# Altium PCB Yaoji.PcbDoc
Units mm, origin at the board's own origin, x right, y up, seen from the top; angles counter-clockwise.
Board outline 152.4 x 101.6 mm, 2 copper layers (Top Layer, Bottom Layer); 29 components, 37 nets, 106 pads, 20 vias.
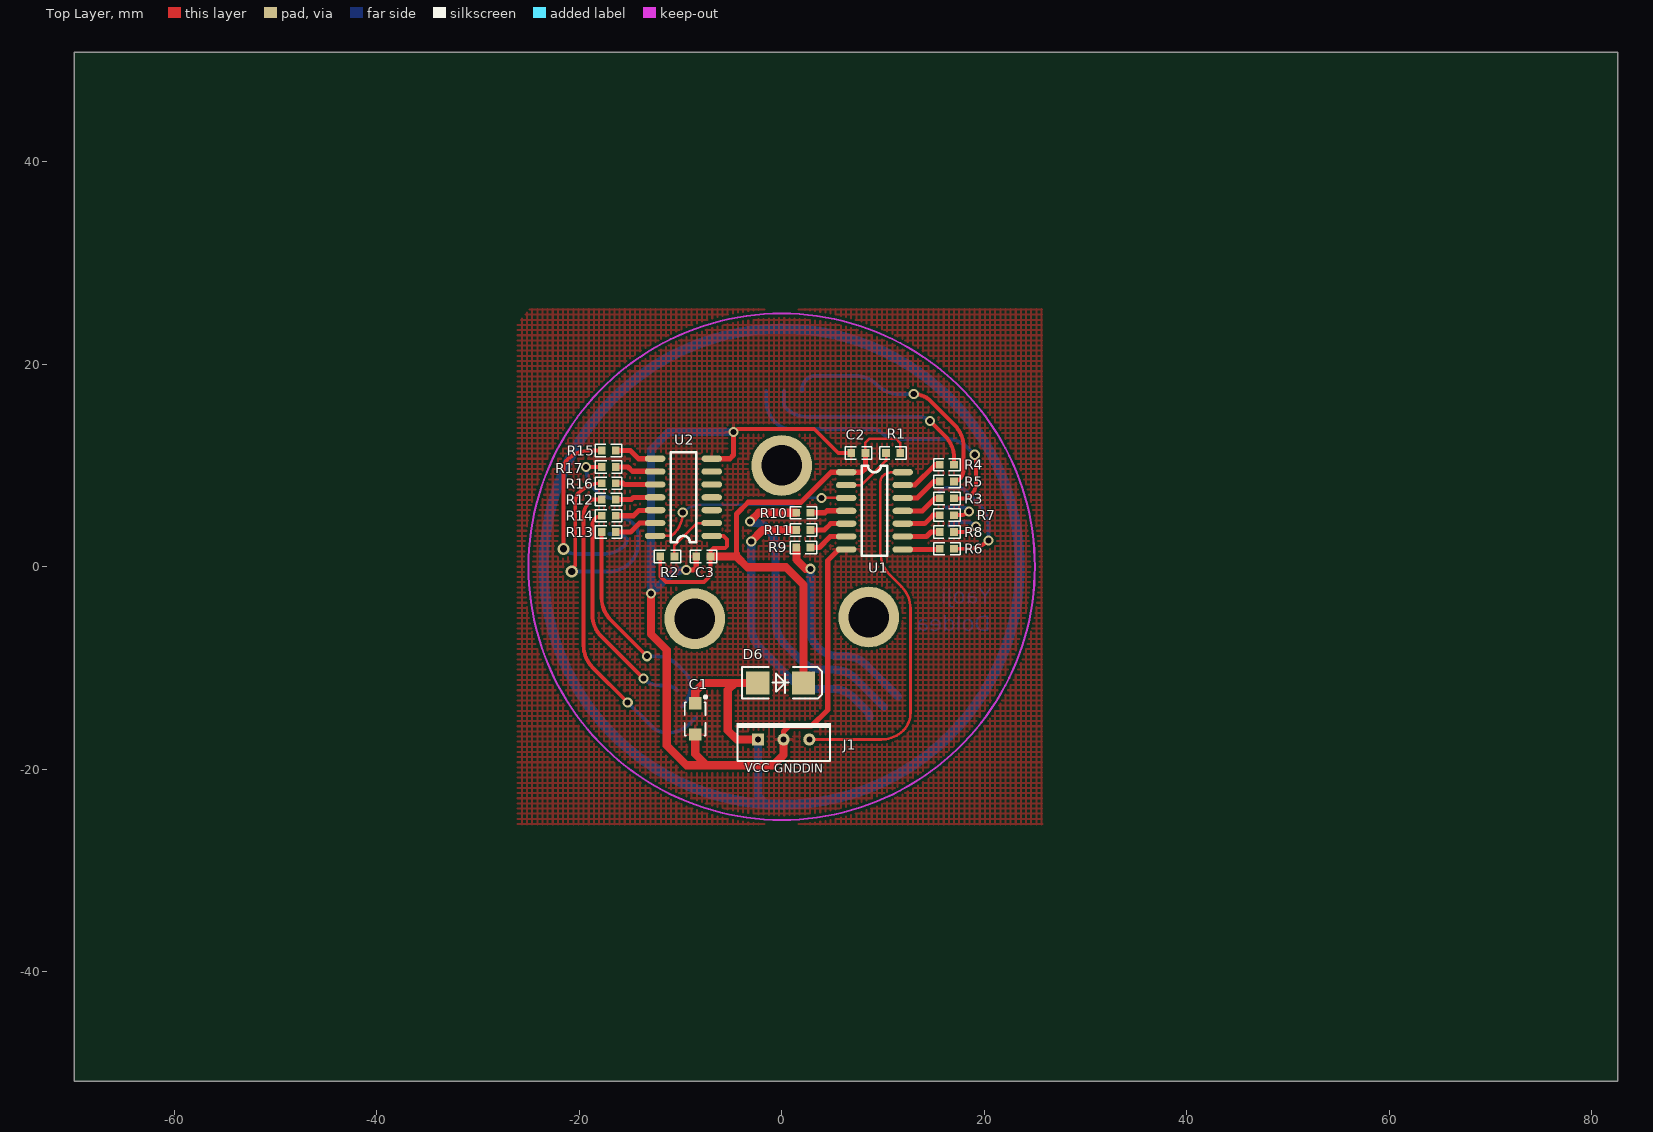
[diagram p0: Top Layer view]
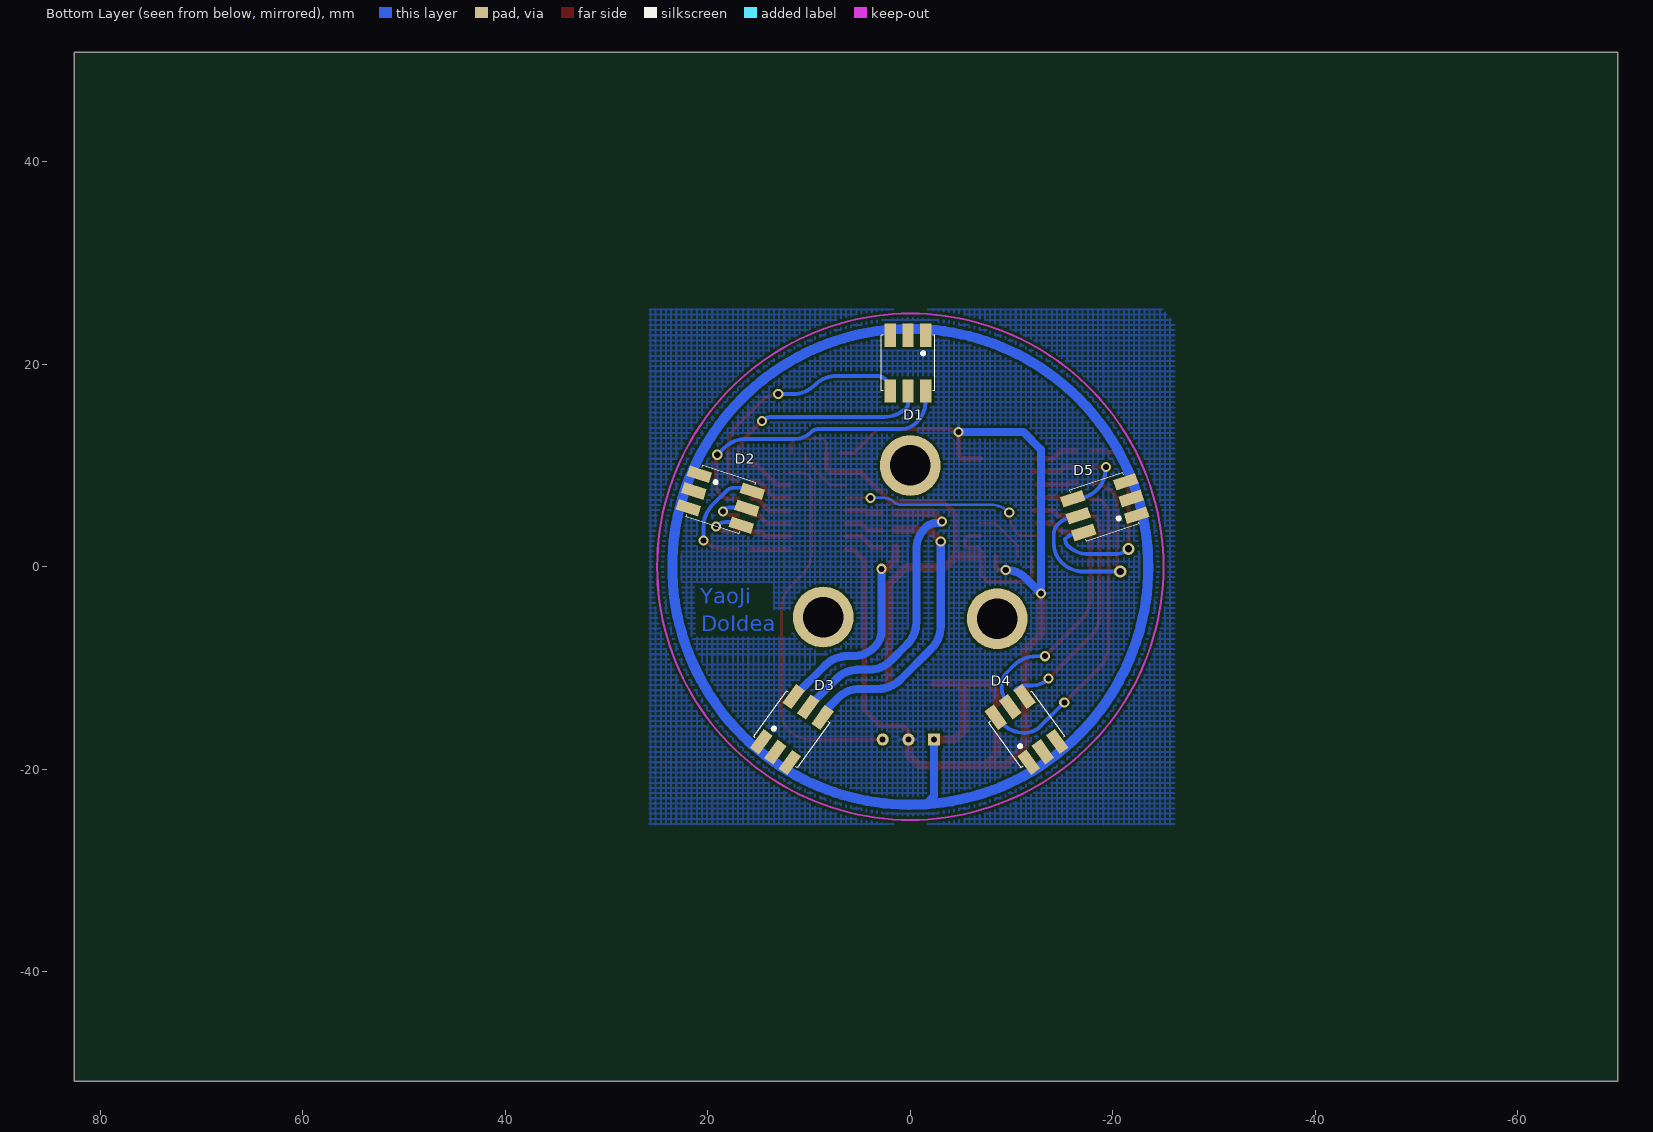
[diagram p1: Bottom Layer view, seen from below]

## Layer stack, top to bottom
Top Layer: signal copper 0.0356
Dielectric: dielectric 0.32, FR-4, Dk 4.8
Bottom Layer: signal copper 0.0356

## Board outline
-69.85,-50.8 82.55,-50.8 82.55,50.8 -69.85,50.8

## Design rules (kind name [scope] priority, off if disabled: settings)
Clearance [All] p1: gap=0.254
ComponentClearance [All] p1: gap=0.254 collisioncheckmode=3 verticalgap=0.254
HoleSize [All] p1: absolutevalues=TRUE maxlimit=5 minlimit=0.025 maxpercent=80.000 minpercent=20.000
PolygonConnect [All] p1: connectstyle=Relief reliefconductorwidth=0.254 reliefentries=4 polygonreliefangle="90 Angle"
RoutingVias [All] p1: holewidth=0.6 width=0.8 viastyle="Through Hole" minholewidth=0.6 minwidth=0.8 maxholewidth=0.8 maxwidth=1.2
SolderMaskExpansion [All] p1: expansion=0.102
TestPointUsage FabricationTestPointUsage [All] p1: valid=0 allowmultiple=FALSE
Testpoint FabricationTestpoint [All] p1: side=3 testpointundercomponent=TRUE minsize=1.016 maxsize=2.54 preferedsize=1.524 minholesize=0 maxholesize=1.016 preferedholesize=0.813 testpointgrid=0.025 style=297 order=0-112345678
Width [All] p1: maxlimit=1 minlimit=0.203 preferedwidth=0.254 toplayer_maxwidth=0.8 bottomlayer_minwidth=0.254 minimp=50.000000 maximp=50.000000 favimp=50.000000
17 further rules are at their usual default settings.

## Components (designator, comment, footprint, x,y, rotation, side; value= is the part's Value field where it differs from the comment)
C1 "Cap2" CAP_TA3216-18N -8.539,-15.025 r270 top
C2 "0.1u" 0603 6.875,11.24 r0 top
C3 "0.1u" 0603 -8.432,1.015 r0 top
D1 "RGB" 5050RGB -1.524,22.86 r270 bottom
D2 "RGB" 5050RGB 20.828,9.144 r198 bottom
D3 "RGB" 5050RGB 14.732,-17.272 r126 bottom
D4 "RGB" 5050RGB -11.684,-19.304 r54 bottom
D5 "RGB" 5050RGB -22.352,5.08 r342 bottom
D6 "D Schottky" SMB-DIODE -2.352,-11.468 r0 top
J1 "CON3" CON3 -2.352,-17.056 r0 top
R1 "0R" 0603 11.701,11.24 r180 top
R2 "0R" 0603 -11.988,1.015 r0 top
R3 "7.5R" 0603 15.616,6.755 r0 top
R4 "58.5R" 0603 17.016,10.071 r180 top
R5 "13.5R" 0603 17.016,8.413 r180 top
R6 "7.5R" 0603 15.616,1.78 r0 top
R7 "58.5R" 0603 17.016,5.096 r180 top
R8 "13.5R" 0603 17.016,3.438 r180 top
R9 "7.5R" 0603 2.84,1.907 r180 top
R10 "58.5R" 0603 1.44,5.338 r0 top
R11 "13.5R" 0603 1.44,3.622 r0 top
R12 "7.5R" 0603 -16.38,6.645 r180 top
R13 "58.5R" 0603 -17.78,3.428 r0 top
R14 "13.5R" 0603 -17.78,5.037 r0 top
R15 "7.5R" 0603 -16.38,11.47 r180 top
R16 "58.5R" 0603 -17.78,8.253 r0 top
R17 "13.5R" 0603 -17.78,9.861 r0 top
U1 "TM1809" SO-14 6.367,9.335 r0 top
U2 "TM1809" SO-14 -6.908,3.047 r180 top

## Footprints (in the part's own frame and the unit in brackets; to place one, negate y for a bottom-side part, rotate by r counter-clockwise, add the part's x,y. Pads: shape width x height; smd on the part's side, far side on the other; paste and mask are expansions set on the pad)
0603 [mil]
  rect 30x30 smd: 1(0,0) 2(55,0)
  silkscreen extent -24,-24 79,24
5050RGB [mm]
  rect 2.3x1.1 smd: 1(0,0) 2(0,-1.75) 3(0,-3.5) 4(5.5,-3.5) 5(5.5,-1.75) 6(5.5,0)
  silkscreen extent 0,-4.4 5.5,0.9
CAP_TA3216-18N [mm]
  rect 1.2x1.25 smd: 1(-1.549,0) 2(1.549,0)
  silkscreen extent -2.28,-1.02 1.65,1.14
CON3 [mm]
  rect 1.2x1.2 hole 0.6: 1(0,0)
  round 1.2 hole 0.6: 2(2.54,0) 3(5.08,0)
  silkscreen extent -2.13,-2.1 7.21,1.65
SMB-DIODE [mm] "Diode SMB"
  rect 2.3x2.3 smd: 1(0,0) 2(4.5,0)
  silkscreen extent -1.55,-1.55 6.35,1.55
SO-14 [mil]
  oval 80x24 smd: 1(0,0) 2(0,-50) 3(0,-100) 4(0,-150) 5(0,-200) 6(0,-250) 7(0,-300) 8(220,-300) 9(220,-250) 10(220,-200) 11(220,-150) 12(220,-100) 13(220,-50) 14(220,0)
  silkscreen extent 60,-325 160,25

## Part data
C1: library part Cap_T
C2 C3: library part Cap
D6: "Schottky Diode"
R1 R2 R3 R4 R5 R6 R7 R8 R9 R10 R11 R12 R13 R14 R15 R16 R17: library part Res

## Free pads (board coordinates)
  round 6 hole 4: 0(-8.583,-5.126) 0(0,10) 0(8.604,-4.968)

## Via types
v1: diameter 1, hole 0.6, Top Layer to Bottom Layer, 18 vias
v2: diameter 1.2, hole 0.711, Top Layer to Bottom Layer, 2 vias

## Nets (pads, with @x,y where several pads share a name; then routed paths per layer and width w, separated by ;. In a path a pad name is that pad's centre, name@x,y a point inside that pad or via, vN(x,y) a via of type N, cw(c..) or ccw(c..) an arc to the next point about the centre after c; other vN are vias at no path point)
DO1-2: U1.3 U2.14 | length 20.8
  Top Layer w0.254: U2.14 -11.176,3.047 ccw(c-11.176,3.816) -10.633,3.272 ccw(c-12.715,5.355) -10.486,3.43 ccw(c-12.715,5.355) v1(-9.77,5.355) ; v1(3.92,6.795) U1.3
  Bottom Layer w0.254: v1(-9.77,5.355) cw(c-7.935,3.52) -7.935,6.115 0.958,6.115 ccw(c0.958,7.009) 1.59,6.377 cw(c2.598,5.369) 2.598,6.795 v1(3.92,6.795)
GND: C1.2 C2.1 C3.1 J1.2 U1.7 U2.7 | length 103.4
  Top Layer w0.381: v1@-4.755,13.24 -4.385,13.61 3.22,13.61 5.59,11.24 C2.1 ; v1(-4.755,13.3) v1@-4.695,13.24
  Top Layer w0.508: v1(-9.425,-0.315) -8.705,-0.315 -8.432,-0.042 C3.1 ; U2.7 -5.128,10.667 -4.755,11.04 v1@-4.755,13.24 ; J1.2 0.188,-16.255 0.718,-15.725 2.955,-15.725 4.545,-14.135 4.545,0.62 5.64,1.715 U1.7
  Top Layer w0.8: v1(-12.905,-2.625) -12.905,-6.665 -11.35,-8.22 -11.35,-17.645 -9.395,-19.6 -0.842,-19.6 0.188,-18.57 J1.2 ; C1.2 -8.539,-18.483 -7.422,-19.6
  Bottom Layer w0.8: v1(-9.425,-0.315) ccw(c-9.425,-3.14) -9.986,-0.371 ccw(c-9.425,-3.14) -11.422,-1.142 v1(-12.905,-2.625) -12.905,11.56 -11.165,13.3 v1(-4.755,13.3)
LED1-B: R3.1 U1.11 | length 4.2
  Top Layer w0.5: U1.11 13.908,5.525 15.138,6.755 R3.1
LED1-G: R5.2 U1.12 | length 4.3
  Top Layer w0.5: U1.12 13.39,6.795 14.993,8.398 R5.2@15.628,8.398
LED1-R: R4.2 U1.13 | length 4.5
  Top Layer w0.5: U1.13 13.15,8.065 15.156,10.071 R4.2
LED2-B: R6.1 U1.8 | length 3.7
  Top Layer w0.5: U1.8 15.551,1.715 R6.1
LED2-G: R8.2 U1.9 | length 3.9
  Top Layer w0.5: U1.9 14.295,2.985 14.748,3.438 R8.2
LED2-R: R7.2 U1.10 | length 4
  Top Layer w0.5: U1.10 14.12,4.255 14.961,5.096 R7.2
LED3-B: R9.1 U1.6 | length 4
  Top Layer w0.508: R9.1 3.722,1.907 4.8,2.985 U1.6
LED3-G: R11.2 U1.5 | length 3.8
  Top Layer w0.508: R11.2 4.212,3.622 4.845,4.255 U1.5
LED3-R: R10.2 U1.4 | length 3.6
  Top Layer w0.508: R10.2 4.273,5.338 4.46,5.525 U1.4
LED4-B: R12.1 U2.11 | length 4
  Top Layer w0.5: R12.1 -14.845,6.645 -14.633,6.857 U2.11
LED4-G: R14.2 U2.12 | length 4.3
  Top Layer w0.5: R14.2 -14.638,5.037 -14.11,5.565 U2.12@-12.29,5.565
LED4-R: R13.2 U2.13 | length 4.3
  Top Layer w0.5: R13.2 -14.917,3.428 -14.028,4.317 U2.13
LED5-B: R15.1 U2.8 | length 4.2
  Top Layer w0.5: R15.1 -14.95,11.47 -14.147,10.667 U2.8
LED5-G: R17.2 U2.9 | length 4.3
  Top Layer w0.5: R17.2 -15.176,9.861 -14.745,9.43 U2.9@-12.29,9.43
LED5-R: R16.2 U2.10 | length 3.9
  Top Layer w0.5: R16.2 -15.668,8.253 -15.542,8.127 U2.10
NetD1_4: D1.4 R5.1 | length 24.1
  Top Layer w0.381: v1(13.04,17.055) cw(c13.04,14.713) 14.696,16.369 17.057,14.008 cw(c14.889,11.84) 17.955,11.84 ; R5.1 ccw(c17.016,9.195) 17.569,8.642 ccw(c16.638,9.574) 17.955,9.574 17.955,11.84 ; 17.955,11.83 ccw(c14.889,11.83) 17.955,11.84
  Bottom Layer w0.381: D1.4@2.04,17.515 cw(c1.821,17.515) D1.4 cw(c3.569,17.36) 2.443,18.487 cw(c3.32,17.61) 3.32,18.85 7.255,18.85 cw(c7.255,15.784) 9.089,18.241 cw(c7.255,15.784) 9.423,17.952 ccw(c11.588,20.117) 11.588,17.055 v1(13.04,17.055)
NetD1_5: D1.5 R4.1 | length 21.5
  Top Layer w0.381: v1(14.645,14.395) 16.118,12.922 cw(c13.95,10.754) 17.016,10.754 R4.1
  Bottom Layer w0.381: D1.5 0.226,16.091 ccw(c0.782,16.091) 0.389,15.698 ccw(c2.557,17.866) 2.557,14.8 13.667,14.8 cw(c13.667,13.417) v1(14.645,14.395)
NetD1_6: D1.6 R3.2 | length 29.9
  Top Layer w0.381: R3.2 18.01,6.755 ccw(c18.01,7.695) 18.675,7.03 ccw(c17.408,8.297) 19.2,8.297 19.2,10.722 ccw(c18.722,10.722) v1(19.06,11.06)
  Bottom Layer w0.381: D1.6 -1.524,16.414 ccw(c1.542,16.414) -0.626,14.246 ccw(c0.909,15.781) 0.909,13.61 9.025,13.61 cw(c9.025,12.535) 9.785,13.295 ccw(c11.415,14.925) 11.415,12.62 16.23,12.62 cw(c16.23,9.554) 18.398,11.722 v1(19.06,11.06)
NetD2_4: D2.4 R8.1 | length 6.2
  Top Layer w0.381: R8.1 17.869,3.438 ccw(c17.869,5.307) 19.19,3.985 19.193,3.985 ccw(c19.193,4.001) v1(19.205,3.99)
  Bottom Layer w0.381: D2.4 ccw(c16.679,2.527) D2.4@16.587,4.113 ; D2.4@16.88,4.046 cw(c17.762,3.165) 17.762,4.411 18.191,4.411 cw(c18.191,2.975) v1@19.207,3.991 ; D2.4@17.39,4.411 ccw(c17.39,3.165) D2.4@16.509,4.047 ; D2.4@16.509,4.047 cw(c16.952,3.603) D2.4@16.587,4.113 ; D2.4@16.509,4.047 cw(c16.952,3.603) D2.4@16.587,4.113
NetD2_5: D2.5 R7.1 | length 4
  Top Layer w0.381: R7.1 17.654,5.096 ccw(c17.654,6.3) v1(18.505,5.449)
  Bottom Layer w0.381: D2.5@16.288,5.843 17.915,5.843 cw(c17.915,5.115) 18.43,5.63 cw(c18.249,5.449) v1(18.505,5.449)
NetD2_6: D2.6 R6.2 | length 12.2
  Top Layer w0.381: R6.2 18.423,1.78 ccw(c18.423,4.597) 19.765,2.12 ccw(c18.423,4.597) v1(20.415,2.605)
  Bottom Layer w0.381: D2.6 cw(c16.468,6.574) 16.468,7.805 17.4,7.805 cw(c17.4,6.762) 18.137,7.5 19.517,6.12 cw(c17.349,3.952) 19.83,5.753 cw(c17.349,3.952) 20.415,3.952 v1(20.415,2.605) ; D2.6@15.6,7.363 D2.6@15.741,7.504
NetD3_4: D3.4 R11.1 | length 29.2
  Top Layer w0.8: v1(-3.005,2.495) -1.877,3.622 R11.1
  Bottom Layer w0.8: v1(-3.005,2.495) -3.005,-5.885 ccw(c0.061,-5.885) -2.107,-8.053 0.997,-11.157 ccw(c3.165,-8.989) 3.165,-12.055 4.98,-12.055 cw(c4.98,-15.121) 6.89,-12.722 cw(c4.98,-15.121) 7.148,-12.953 8.38,-14.185 cw(c7.685,-14.88) D3.4
NetD3_5: D3.5 R10.1 | length 30.8
  Top Layer w0.8: v1(-3.14,4.465) -2.267,5.338 R10.1
  Bottom Layer w0.8: v1(-3.14,4.465) ccw(c-2.754,4.851) -2.909,4.328 ccw(c-2.754,4.851) -2.754,4.305 -2.548,4.305 cw(c-2.548,2.813) -1.493,3.868 cw(c-3.661,1.7) -0.595,1.7 -0.595,-5.485 ccw(c2.471,-5.485) 0.303,-7.653 1.912,-9.262 ccw(c4.08,-7.094) 4.08,-10.16 5.122,-10.16 cw(c5.122,-13.226) 5.52,-10.186 cw(c5.122,-13.226) 7.29,-11.058 D3.5
NetD3_6: D3.6 R9.2 | length 20.6
  Top Layer w0.8: R9.2 1.443,0.722 2.365,-0.2 v1(2.84,-0.2)
  Bottom Layer w0.8: v1(2.84,-0.2) 2.84,-6.268 ccw(c5.185,-6.268) 2.914,-6.855 ccw(c5.185,-6.268) 3.527,-7.927 ccw(c5.695,-5.759) 5.695,-8.825 6.232,-8.825 cw(c6.232,-11.891) 6.812,-8.88 cw(c6.232,-11.891) 8.362,-9.686 cw(c6.232,-11.891) 8.4,-9.723 D3.6
NetD4_4: D4.4 R14.1 | length 22.2
  Top Layer w0.381: R14.1 ccw(c-17.78,4.122) -18.695,4.122 -18.695,-4.735 ccw(c-15.629,-4.735) -17.797,-6.903 v1(-13.66,-11.04)
  Bottom Layer w0.381: v1(-13.66,-11.04) ccw(c-12.018,-9.398) -12.018,-11.72 -11.479,-11.72 cw(c-11.479,-13.359) -10.75,-11.891 cw(c-11.479,-13.359) D4.4@-10.32,-12.2
NetD4_5: D4.5 R13.1 | length 22
  Top Layer w0.381: R13.1 -17.78,-3.075 ccw(c-14.714,-3.075) -16.882,-5.243 v1(-13.295,-8.83)
  Bottom Layer w0.381: v1(-13.295,-8.83) -12.42,-8.83 cw(c-12.42,-11.896) -10.252,-9.728 -9.566,-10.414 cw(c-10.91,-11.757) -9.01,-11.757 cw(c-11.936,-11.757) -9.494,-13.369 cw(c-11.936,-11.757) D4.5
NetD4_6: D4.6 R12.2 | length 31.3
  Top Layer w0.381: R12.2 -18.55,6.645 ccw(c-18.55,6.09) -18.715,6.62 ccw(c-18.55,6.09) -18.943,6.482 ccw(c-17.44,4.98) -19.565,4.98 -19.565,-7.765 ccw(c-16.499,-7.765) -18.667,-9.933 v1(-15.205,-13.395)
  Bottom Layer w0.381: v1(-15.205,-13.395) -12.86,-15.74 ccw(c-11.267,-14.146) -11.267,-16.4 ccw(c-11.267,-13.334) -9.099,-15.502 D4.6
NetD5_4: D5.4 R17.1 | length 6.7
  Top Layer w0.381: v1(-19.335,9.845) cw(c-19.295,9.805) -19.295,9.861 R17.1
  Bottom Layer w0.381: v1@-19.295,9.861 -19.295,9.691 ccw(c-16.348,9.691) -19.28,9.387 ccw(c-16.348,9.691) -18.432,7.607 ccw(c-16.264,9.775) -16.264,6.709 D5.4
NetD5_5: D5.5 R16.1 | length 22.8
  Top Layer w0.381: v2(-20.735,-0.48) cw(c-20.119,-0.48) -20.555,-0.045 -20.39,0.12 -20.39,6.377 cw(c-19.007,6.377) -19.985,7.355 cw(c-17.817,5.187) -17.817,8.253 R16.1
  Bottom Layer w0.381: v2(-20.735,-0.48) -17.12,-0.48 ccw(c-17.12,2.586) -14.952,0.418 ccw(c-16.852,2.318) -14.165,2.318 -14.165,3.227 ccw(c-15.506,3.227) -14.558,4.176 ccw(c-16.498,2.235) -16.218,4.965 ccw(c-16.498,2.235) D5.5@-16.498,4.979
NetD5_6: D5.6 R15.2 | length 21.5
  Top Layer w0.381: v2(-21.555,1.77) -21.555,9.638 cw(c-20.235,9.638) -21.168,10.572 cw(c-19,8.404) -19,11.47 R15.2
  Bottom Layer w0.381: v2(-21.555,1.77) ccw(c-20.36,2.965) -20.36,1.275 -17.457,1.275 ccw(c-17.457,3.934) -15.576,2.054 ccw(c-16.279,2.757) -15.319,2.5 ccw(c-16.279,2.757) -15.285,2.757 ccw(c-16.47,1.572) -16.47,3.248 D5.6@-16.988,3.248
NetR1_2: R1.2 U1.2 | length 5.7
  Top Layer w0.254: U1.2 7.88,8.065 10.304,10.489 R1.2
NetR2_2: R2.2 U2.2 | length 5.7
  Top Layer w0.254: R2.2 -10.591,2.099 -8.373,4.317 U2.2
SIGNAL: J1.3 U1.14 | length 37.9
  Top Layer w0.254: J1.3 9.849,-17.056 ccw(c9.849,-13.99) 10.537,-16.978 ccw(c9.849,-13.99) 12.017,-16.158 ccw(c10.32,-14.461) 12.693,-14.822 ccw(c10.32,-14.461) 12.72,-14.461 12.72,-4.12 ccw(c9.654,-4.12) 11.822,-1.952 10.65,-0.78 cw(c12.818,1.388) 9.752,1.388 9.752,8.435 cw(c10.445,8.435) 9.955,8.925 cw(c10.944,7.936) 10.338,9.196 cw(c10.944,7.936) 10.944,9.335 U1.14
VCC: C1.1 D1.1 D1.2 D1.3 D2.1 D2.2 D2.3 D3.1 D3.2 D3.3 D4.1 D4.2 D4.3 D5.1 D5.2 D5.3 D6.1 J1.1 | length 170.5
  Top Layer w0.8: C1.1 -8.539,-12.312 -7.695,-11.468 D6.1 ; -4.62,-11.468 -5.322,-12.17 -5.322,-16.15 -4.416,-17.056 J1.1
  Bottom Layer w0.8: J1.1 -2.352,-22.648 -1.5,-23.5
  Bottom Layer w1: -1.551,-23.449 ccw(c0,0) 23.5,0 ccw(c0,0) -1.551,-23.449
VDD: C2.2 C3.2 D6.2 R1.1 R2.1 U1.1 U2.1 | length 59.9
  Top Layer w0.254: C2.2 8.272,12.262 8.665,12.655 11.27,12.655 11.701,12.224 R1.1
  Top Layer w0.381: R2.1 -11.988,-0.951 -11.44,-1.499 -7.674,-1.499 -7.035,-0.86 -7.035,1.545 -6.735,1.845 -5.58,1.845 -5.4,2.025 -5.4,2.71 -5.737,3.047 U2.1
  Top Layer w0.508: -4.385,1.3 -4.475,1.39 -4.475,5.205 -3.303,6.377 1.917,6.377 4.875,9.335 7.891,9.335 8.272,9.716 C2.2
  Top Layer w0.8: C3.2 -4.455,1.015 -3.395,-0.045 0.414,-0.045 2.148,-1.779 D6.2
pads on no net: U2.3 U2.4 U2.5 U2.6

## Polygon pours and split planes (outlines as drawn)
GND on Top Layer "Top Layer-No Net" (hatched 90Degree grid 0.508 track 0.203, pour order 1000): -25.014,25.243 -24.835,25.454 25.709,25.454 25.709,-25.318 25.765,-25.384 25.705,-25.454 -26.075,-25.454 -26.075,23.992 -25.014,25.243
GND on Bottom Layer "Top Layer-No Net" (hatched 90Degree grid 0.508 track 0.203, pour order 1001): -25.013,25.243 -24.834,25.454 25.764,25.454 25.764,-25.318 25.82,-25.384 25.76,-25.454 -26.075,-25.454 -26.075,23.992 -25.013,25.243

## Keep-outs
Keep-Out Layer:
  circle w0.2: c0,0 r25

## Other copper
Bottom Layer:
  text "YaoJi" at 20.74,-3.67 h1.52
  text "DoIdea" at 20.665,-6.365 h1.52

## Silkscreen, mask and mechanical layers (free items; w line width, h text height)
Bottom Solder:
  text "YaoJi" at 20.74,-3.67 h1.52
  text "DoIdea" at 20.665,-6.365 h1.52

## Text inside footprints (layer, text, board x,y; h text height)
J1: Top Overlay "GND" at -0.752,-20.637 h1.5; Top Overlay "DIN" at 1.991,-20.637 h1.5; Top Overlay "VCC" at -3.648,-20.587 h1.5